# Altium PCB PCB-Relay-Board-V1.PcbDoc (part 2 of 5) (continued)
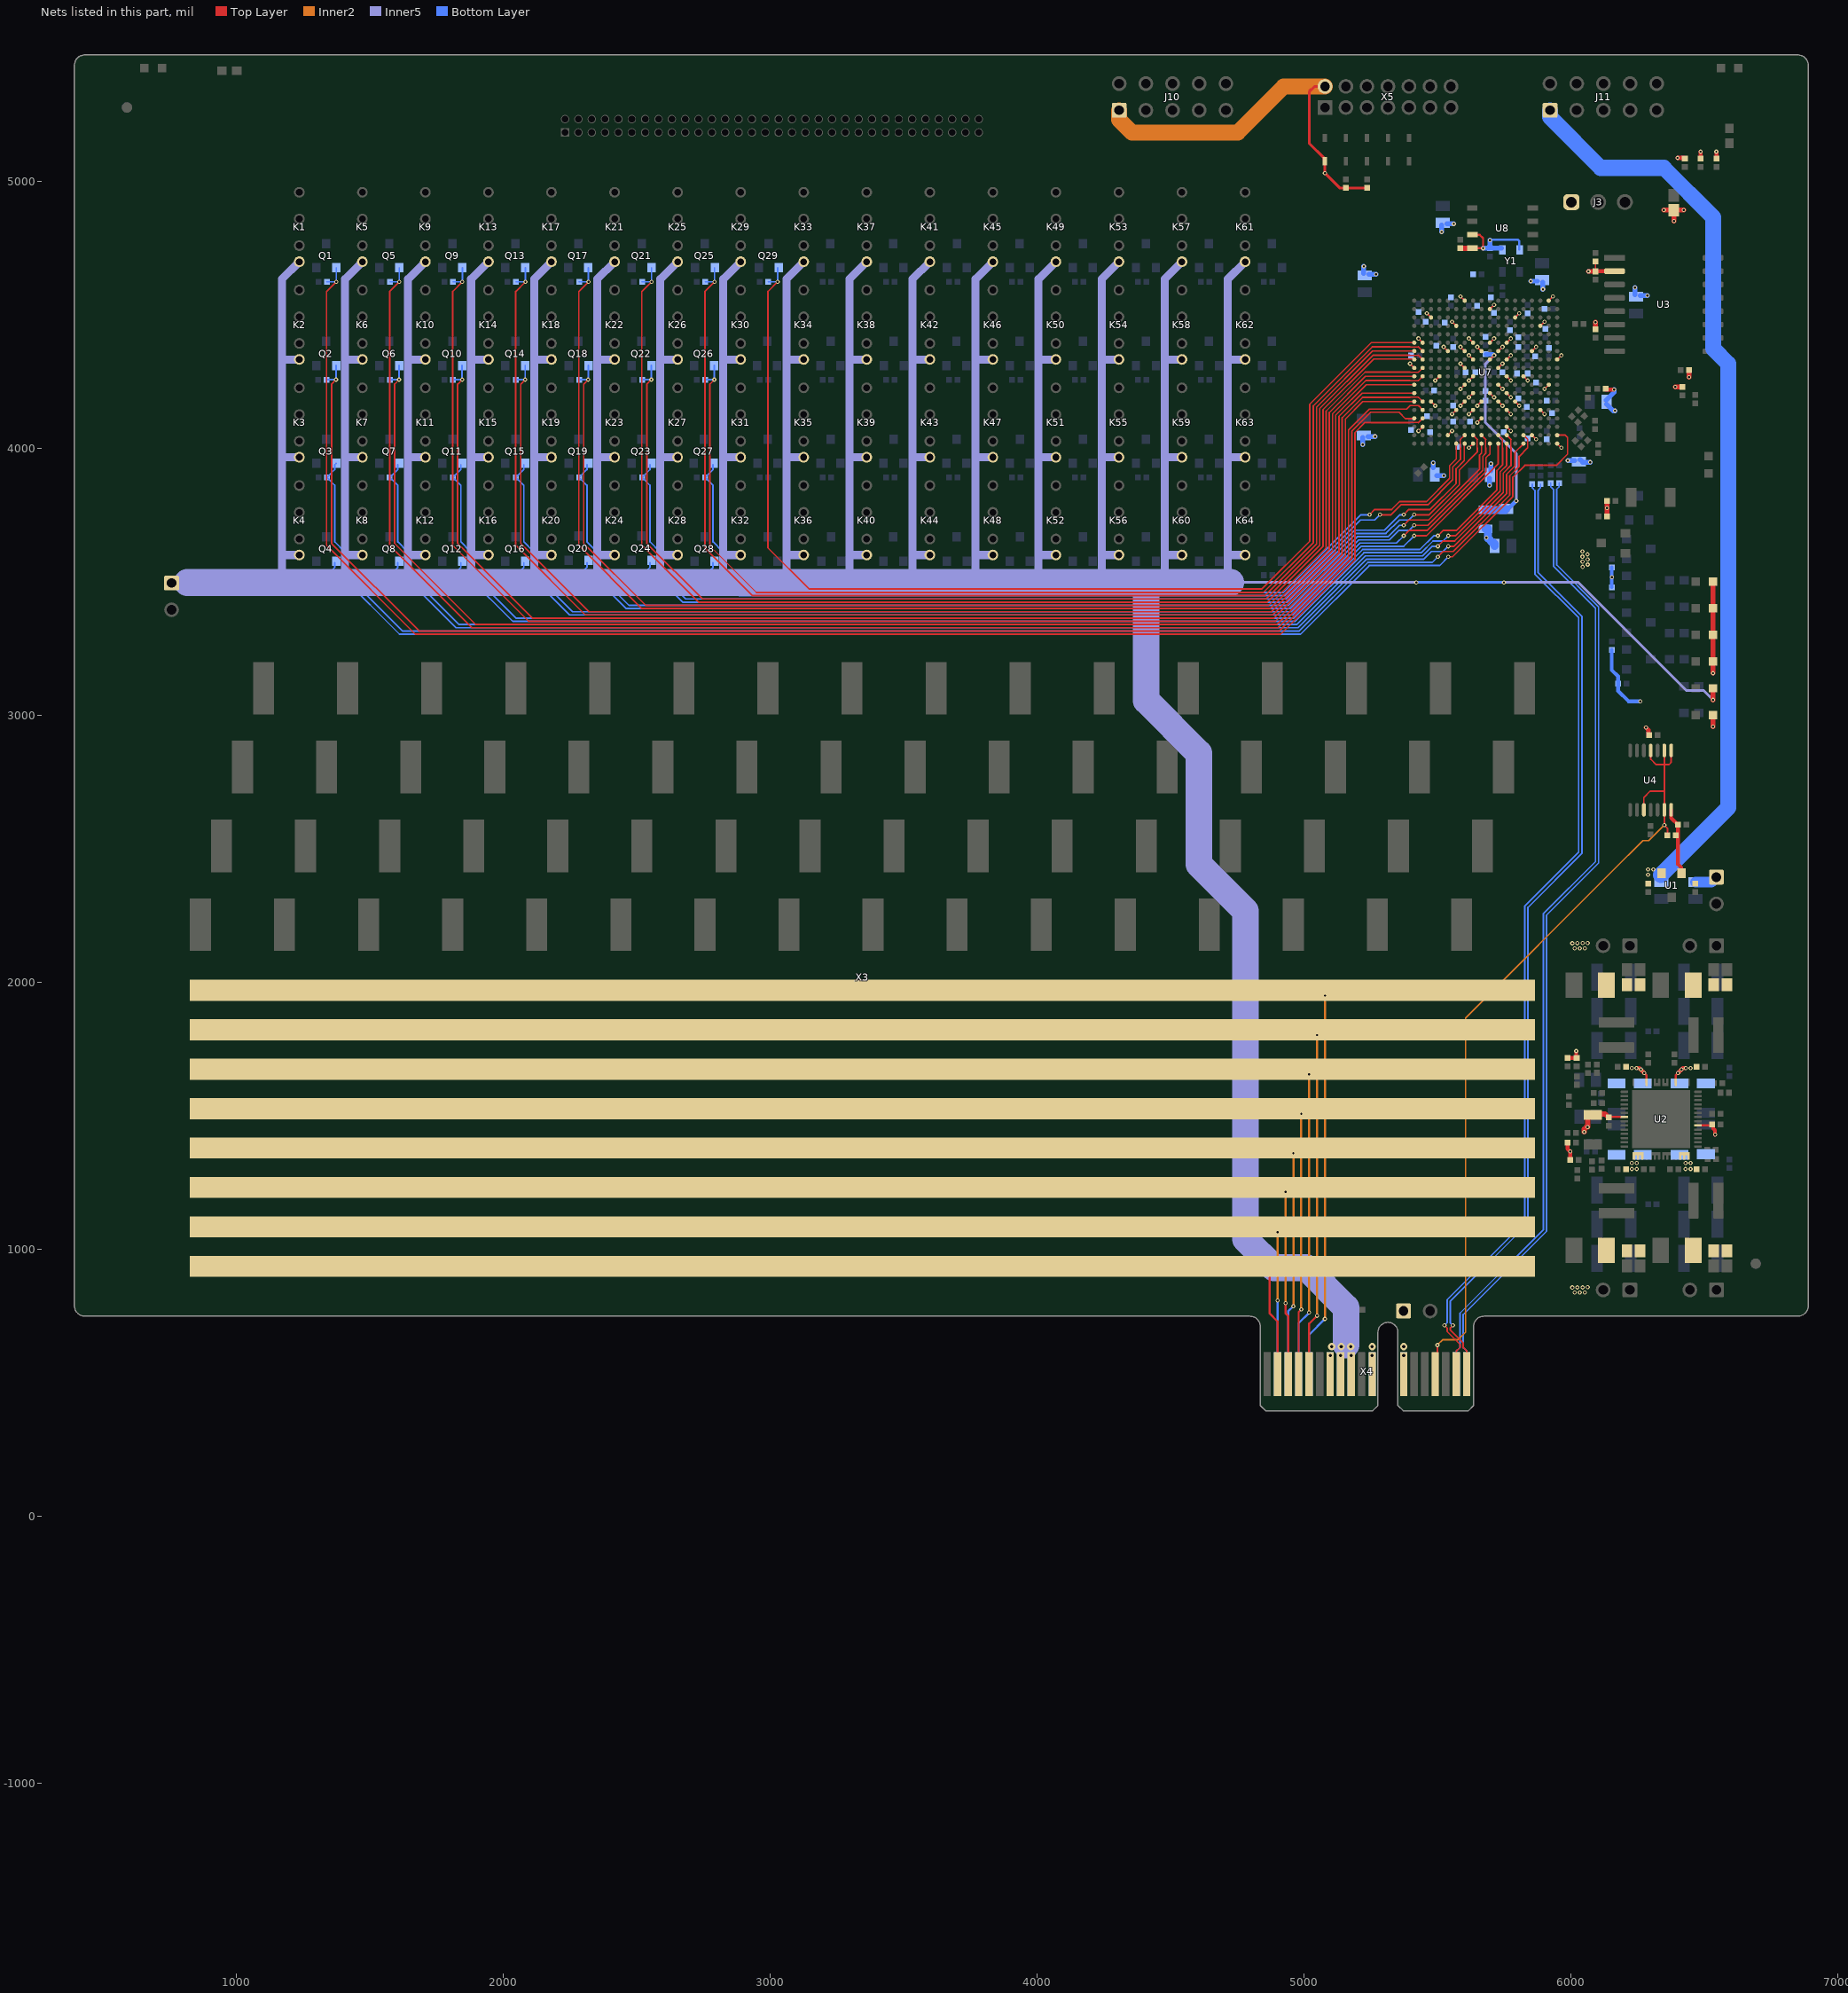
[diagram p8: the nets of this part, all layers, seen from the top]
## Part data (continued)
U4: library part 74LCX125, "IC BUF NON-INVERT 3.6V 14TSSOP", 02. Distributor Part Number=497-13204-2-ND, 04. Manufacturer=STMicroelectronics, 07. Manufacturer  Part Number=74LCX125YTTR, Package=TSSOP14, 01. Distributor=DigiKey, 03. Unit Price=0.51, 11. RoHS=YES, ComponentLink1Description=Info, ComponentLink2Description=DataSheet
U7: library part XC7A15T-CS324, "XC7A15T-1CSG324C", 04. Manufacturer=XILINX, 09. Operating Temperature="0°C ~ 85°C (TJ)", 01. Distributor=Avnet, 02. Distributor Part Number=XC7A15T-1CSG324C, 03. Unit Price=20.65, 07. Manufacturer  Part Number=XC7A15T-1CSG324C, 11. RoHS=YES, ComponentLink4Description=Info, ComponentLink4URL=https://www.digikey.de/products/en?keywords=XC7A15T-1CSG324C, ComponentLink5Description=DataSheet, ComponentLink5URL=https://www.xilinx.com/support/documentation/data_sheets/ds181_Artix_7_Data_Sheet.pdf, ComponentLink6Description=NXP, ComponentLink6URL=https://www.nxp.com/part/MK20DN512VMD10, MFR=XILINX, MFR-PN=XC7A15T-CS324, NicName=XC7A15T, POPULATED=yes
U8: library part MX25R3235FM1IH0, "IC FLASH 32M SPI 80MHZ 8SOP", 02. Distributor Part Number=1092-1175-ND, 04. Manufacturer=Macronix, 01. Distributor=DigiKey, 03. Unit Price=0.79, 07. Manufacturer  Part Number=MX25R3235FM1IH0, 13. Created Date/Name="AUG 2018 / Hören", ComponentLink1Description=Info, ComponentLink1URL=https://www.digikey.de/product-detail/en/macronix/MX25R3235FM1IH0/1092-1175-ND/5957736, ComponentLink2Description=DataSheet, ComponentLink2URL=https://www.macronix.com/Lists/Datasheet/Attachments/7534/MX25R3235F%2c%20Wide%20Range%2c%2032Mb%2c%20v1.6.pdf
X2: library part TFC-132-01-F-D-RA, "CONN HEADER TH RA 48POS 1.27MM", 04. Manufacturer="Samtec Inc.", 01. Distributor="Samtec Inc.", 02. Distributor Part Number=TFC-132-01-F-D-RA, 03. Unit Price=5, 07. Manufacturer  Part Number=TFC-132-01-F-D-RA, 11. RoHS=YES, 13. Created Date/Name="??? / Hören", ComponentLink1Description=Info, ComponentLink1URL=https://www.samtec.com/products/tfc-124-01-f-d-ra, ComponentLink2Description=DataSheet, System=Connector
X3: library part CONFIG64, "PCB Tester Configuration Matrix for 48 Relays over 8 ABUSes", 13. Created Date/Name="??? / Hören", ComponentLink1Description=Info, ComponentLink2Description=DataSheet
X4: library part PCIE-036-02-F-D-Fingers, "CONN PCI Card Edge 36POS", ComponentLink1Description=Info, ComponentLink2Description=DataSheet, ComponentLink2URL=http://suddendocs.samtec.com/catalog_english/pcie.pdf, System=Connector
X5: library part LTMM-107-02-F-D, "CONN HEADER VERT 14POS 2MM", 02. Distributor Part Number=LTMM-107-02-F-D-ND, 04. Manufacturer="Samtec Inc.", 01. Distributor=DigiKey, 03. Unit Price=2.38, 07. Manufacturer  Part Number=LTMM-107-02-F-D, 11. RoHS=YES, 13. Created Date/Name="??? / Hören", ComponentLink1Description=Info, ComponentLink1URL=https://www.digikey.de/product-detail/en/samtec-inc/LTMM-107-02-F-D/LTMM-107-02-F-D-ND/8723899, ComponentLink2Description=DataSheet, ComponentLink2URL=https://www.samtec.com/products/ltmm, NickName=JTAG, System=Connector
Y1: library part ASE-25.000MHZ-LC-T, "XTAL OSC XO 25.0000MHZ CMOS SMD", 02. Distributor Part Number=535-9568-1-ND, 04. Manufacturer="Abracon LLC", Frequency=25MHz, Package=4SMD, 01. Distributor=DigiKey, 03. Unit Price=1.46, 07. Manufacturer  Part Number=ASE-25.000MHZ-LC-T, 11. RoHS=YES, 13. Created Date/Name="AUG 2018 / Hören", ComponentLink1Description=Info, ComponentLink1URL=https://www.digikey.de/products/en?keywords=535-9568-1-ND, ComponentLink2Description=DataSheet

## Via types
v1: diameter 15.75, hole 7.87, Top Layer to Bottom Layer, 631 vias
v2: diameter 27.56, hole 11.81, Top Layer to Bottom Layer, 82 vias

## Nets (pads, with @x,y where several pads share a name; then routed paths per layer and width w, separated by ;. In a path a pad name is that pad's centre, name@x,y a point inside that pad or via, vN(x,y) a via of type N, cw(c..) or ccw(c..) an arc to the next point about the centre after c; other vN are vias at no path point)
1V0: C15.1 C310.1 C311.1 C312.1 C313.1 C314.1 C315.1 C316.1 C317.1 C476.1 C477.1 J1.2 J2.2 U7.F8 U7.F10 U7.G7 U7.G9 U7.G11 U7.H8 U7.J7 U7.J11 U7.K8 U7.L7 U7.L11 U7.M8 U7.M10 U7.N7 U7.N9 U7.N11 | length 452.4
  Top Layer w6: v1(5586.6,4158.3) U7.N7@5602.35,4174.05 ; v1(5586.6,4221.29) U7.L7@5602.35,4237.04 ; v1(5586.6,4315.78) U7.J7@5602.35,4300.03 ; v1(5586.6,4378.77) U7.G7@5602.35,4363.02 ; v1(5618.09,4189.8) U7.M8@5633.84,4205.54 ; v1(5618.09,4252.79) U7.K8@5633.84,4268.54 ; v1(5618.09,4347.28) U7.H8@5633.84,4331.53 ; v1(5618.09,4410.27) U7.F8@5633.84,4394.52 ; v1(5649.59,4158.3) U7.N9@5665.34,4174.05 ; v1(5649.59,4378.77) U7.G9@5665.34,4363.02 ; U7.M10@5696.84,4205.54 v1(5712.58,4189.8) ; U7.F10@5696.84,4394.52 v1(5712.58,4410.27) ; U7.N11@5728.33,4174.05 v1(5744.08,4158.3) ; U7.L11@5728.33,4237.04 v1(5744.08,4221.29) ; U7.J11@5728.33,4300.03 v1(5744.08,4315.78) ; U7.G11@5728.33,4363.02 v1(5744.08,4378.77)
  Bottom Layer w18: C310.1@5484.1,3926.39 v1(5484.1,3944.12) ; C310.1@5498.19,3896.56 v1(5524.31,3896.56) ; v1(5849.64,4624.84) C316.1@5875.77,4624.84 ; v1(5895.46,4594.77) C316.1@5895.46,4620.9
  other v1: 6014.34,2125.77 6033.46,2125.98 6052.59,2126.2 6005.62,2145.03 6024.75,2145.24 6043.87,2145.46 6062.99,2145.67
1V8: C9.1 C27.1 C318.1 C430.1 C431.1 C432.1 C433.1 C434.1 C435.1 J4.2 J5.2 L1.1 U7.F12 U7.H12 U7.K12 U7.M12 | length 243.7
  Top Layer w6: U7.M12@5759.83,4205.54 v1(5775.58,4189.8) ; U7.K12@5759.83,4268.54 v1(5775.58,4252.79) ; U7.H12@5759.83,4331.53 v1(5775.57,4347.28) ; U7.F12@5759.83,4394.52 v1(5775.57,4410.27)
  Bottom Layer w18: v1(5988.73,3952.91) C318.1@6014.86,3952.91 ; C318.1@6034.54,3956.85 6044.54,3946.85 v1(6072.83,3946.85)
  Bottom Layer w30: L1.1@5680.19,3697.52 5689.09,3697.52 5689.84,3696.77 5689.84,3662.19 5707.41,3644.62 5710.96,3644.62 5714.66,3640.92 C9.1@5714.66,3633.04
  other v1: 6043.95,3554.83 6063.21,3563.55 6043.73,3573.96 6062.99,3582.68 6043.52,3593.08 6062.78,3601.8 6043.31,3612.2 5683.55,3663.91
1V8A: C10.1 C471.1 L1.2 U7.H10 | length 791.4
  Top Layer w6: U7.H10@5696.84,4331.53 v1(5712.58,4347.28)
  Inner5 w10: v1(5712.58,4347.28) 5680.46,4315.15 5680.46,4094.76 5795.72,3979.5 v1(5795.72,3801.62)
  Bottom Layer w16: C471.1@5681.09,4351.21 5708.65,4351.21 v1(5712.58,4347.28) ; C10.1@5757.87,3771.65 5765.75,3771.65 v1(5795.72,3801.62)
  Bottom Layer w30: L1.2@5680.19,3768.39 5754.61,3768.39 C10.1@5757.87,3771.65
2V5: C42.1 J6.2 J7.2
3V3: C17.1 C53.1 C54.2 C55.1 C436.1 C437.1 C438.1 C439.1 C440.1 C441.1 C442.1 C443.1 C444.1 C445.1 C446.1 C447.1 C448.1 C449.1 C450.1 C451.1 C452.1 C453.1 C454.1 C455.1 C456.1 C457.1 C458.1 C459.1 C460.1 C461.1 C462.1 C463.1 C464.1 C465.1 C466.1 C467.1 C468.1 C469.1 D10.2 J3.1 J8.2 J9.2 J10.1 R105.2 R106.2 R107.2 R109.2 R111.2 R112.2 R113.2 R114.2 R115.2 R122.2 R128.1 U3.2 U7.A7 U7.A17 U7.B10 U7.C3 U7.C13 U7.D6 U7.D16 U7.F2 U7.G5 U7.G15 U7.H18 U7.J1 U7.K4 U7.K14 U7.L17 U7.N3 U7.N13 U7.P6 U7.P8 U7.P12 U7.P16 U7.R9 U7.T2 U7.T12 U7.U5 U7.U15 U7.V8 U7.V18 U8.7 U8.8 X5.2 Y1.1 Y1.4 | length 3190.8
  Top Layer w6: v1(5397.62,4315.78) U7.J1@5413.37,4300.03 ; v1(5429.12,4063.81) U7.T2@5444.87,4079.56 ; v1(5429.12,4410.27) U7.F2@5444.87,4394.52 ; v1(5460.61,4504.76) U7.C3@5476.36,4489.01 ; U7.N3@5476.36,4174.05 v1(5492.11,4158.3) ; v1(5492.11,4252.79) U7.K4@5507.86,4268.54 ; v1(5523.61,4378.77) U7.G5@5539.35,4363.02 ; U7.U5@5539.35,4048.06 v1(5555.1,4063.81) ; v1(5555.1,4126.8) U7.P6@5570.85,4142.55 ; v1(5555.1,4473.26) U7.D6@5570.85,4457.51 ; v1(5586.6,4567.75) U7.A7@5602.35,4552 ; v1(5618.09,4000.82) U7.V8@5633.84,4016.57 ; v1(5618.09,4126.8) U7.P8@5633.84,4142.55 ; v1(5649.59,4095.31) U7.R9@5665.34,4111.06 ; U7.B10@5696.84,4520.5 v1(5712.58,4536.25) ; U7.T12@5759.83,4079.56 v1(5775.58,4063.81) ; U7.P12@5759.83,4142.55 v1(5775.58,4126.8) ; U7.N13@5791.32,4174.05 v1(5807.07,4158.3) ; U7.C13@5791.32,4489.01 v1(5807.07,4504.76) ; U7.K14@5822.82,4268.54 v1(5838.57,4252.79) ; U7.U15@5854.32,4048.06 v1(5870.06,4032.32) ; U7.G15@5854.32,4363.02 v1(5870.06,4378.77) ; U7.P16@5885.81,4142.55 v1(5901.56,4126.8) ; U7.D16@5885.81,4457.51 v1(5901.56,4473.26) ; v1(5901.56,4221.29) U7.L17@5917.31,4237.04 ; U7.A17@5917.31,4552 v1(5933.06,4567.75) ; U7.V18@5948.8,4016.57 v1(5964.55,4000.82) ; U7.H18@5948.8,4331.53 v1(5964.55,4347.28) ; C55.1@6092.52,4661.42 R113.2@6092.52,4698.82
  Top Layer w8: U8.7@5631.81,4797.92 5659.07,4797.92 5671.39,4785.61 v1(5671.39,4748.18) U8.8@5631.95,4748.18
  Top Layer w10: X5.2@5078.74,5354.33 5039.37,5354.33 5019.69,5334.65 5019.69,5141.73 5075.87,5085.55 5075.87,5077.68 D10.2@5078.74,5074.8 v1(5078.74,5029.53) 5133.86,4974.41 R111.2@5157.48,4974.41 R112.2@5236.22,4974.41
  Top Layer w15: C55.1@6092.52,4661.42 6093.5,4662.4 U3.2@6163.98,4662.4 ; R109.2@6129.99,4221.29 6132.21,4219.08 v1(6161.92,4219.08)
  Top Layer w16: v1(6281.5,2952.76) 6290.48,2943.77 6290.48,2926.06 R122.2@6291.34,2925.2
  Top Layer w18: v1(6066.39,4661.42) C55.1@6092.52,4661.42 ; R115.2@6092.52,4444.88 v1(6092.52,4471.01) ; R128.1@6135.83,3744.09 v1(6135.83,3775.06) R107.2@6135.83,3801.18 ; v1(6391.2,4228.35) R106.2@6417.32,4228.35 ; v1(6442.91,4265.21) R114.2@6442.91,4291.34
  Top Layer w20: C54.2@5586.5,4748.56 U8.8@5630.98,4748.56
  Inner2 w60: J10.1@4307.87,5264.96 4307.87,5229.53 4355.62,5181.78 4752.05,5181.78 4924.6,5354.33 X5.2@5078.74,5354.33
  Bottom Layer w8: v1@5698.82,4779.55 5802.19,4779.55 5806.87,4774.86 Y1.1@5806.87,4744.13
  Bottom Layer w18: v1(5220.63,4013.15) C456.1@5220.63,4039.28 ; C463.1@5224.39,4654.36 v1(5224.39,4680.49) ; C456.1@5240.31,4043.21 v1(5266.44,4043.21) ; C463.1@5244.08,4650.43 v1(5270.2,4650.43) ; v1(5515.73,4809.34) C451.1@5515.73,4835.47 ; C451.1@5535.42,4839.4 v1(5561.54,4839.4) ; v1(5671.39,4748.18) C17.1@5697.51,4748.18 Y1.4@5739.98,4748.18 ; v1(5695.61,3860.15) C436.1@5695.61,3886.3 ; C17.1@5697.51,4752.11 v1(5697.51,4778.24) ; C436.1@5700.94,3915.26 v1(5700.94,3941.39) ; C437.1@6132.7,4179.01 6161.92,4208.22 v1(6161.92,4219.08) ; C437.1@6133.84,4164.4 6158.55,4139.69 v1(6165.87,4139.69) ; C444.1@6240.57,4574.64 v1(6240.57,4600.76) ; C444.1@6260.26,4570.7 v1(6286.38,4570.7)
  other v1: 6014.34,836.4 6033.46,836.61 6052.59,836.83 6005.62,855.66 6024.75,855.87 6043.87,856.09 6062.99,856.3
3V3IO: C3.1 C4.1 C32.1 C56.2 D1.1 D2.1 D3.1 D4.1 D13.1 J12.1 R45.2 R46.2 R73.2 R74.2 R77.2 R78.2 R79.2 R81.2 R82.2 R88.2 R89.2 R121.2 TP7.1 U1.1 U2.20 U4.14 | length 1403.9
  Top Layer w8.66: U2.20@6476.38,1462.6 6526.87,1462.6 C32.1@6530.17,1465.89
  Top Layer w13.78: v1(6020.11,1741.41) 6020.11,1717.51 R46.2@6021.89,1715.73 ; U4.14@6375.98,2644.69 6375.98,2614.17 C56.2@6401.57,2588.58 6401.57,2440.76 6413.68,2428.65 6413.68,2426.64 ; C32.1@6529.53,1466.54 6530.17,1465.89 6533.46,1462.6 6533.46,1451.09 6539.82,1444.73 6539.82,1430.38 6540.28,1429.92 6540.28,1428.53 v1(6540.66,1428.15)
  Top Layer w15: R74.2@5987.74,1715.73 R46.2@6018.16,1715.73 ; R82.2@5987.89,1398.74 5987.89,1374.32 v1(5997.48,1364.72) R89.2@5997.48,1333.34 ; v1(6399.64,5086.7) R77.2@6424.77,5086.7 ; R78.2@6486.22,5084.65 v1(6486.22,5109.78) ; R79.2@6545.28,5084.65 v1(6545.28,5109.78)
  Top Layer w18: v1(6348.84,4891.75) J12.1@6373.97,4891.75 ; v1(6386.51,4850.29) J12.1@6386.51,4875.42 ; J12.1@6397.65,4891.75 v1(6422.78,4891.75) ; v1(6532.48,2956.48) 6532.48,2984.25 ; v1(6532.48,3156.48) D1.1@6532.48,3200 D2.1@6532.48,3300 D3.1@6532.48,3400 D4.1@6532.48,3500
  Bottom Layer w13.78: R73.2@6153.54,3244.25 6153.54,3168.65 6177.17,3145.03 6177.17,3090.33 6216.31,3051.18 v1(6259.84,3051.18) ; R81.2@6153.54,3478.35 v1(6153.54,3515.75) R88.2@6153.54,3553.15
  Bottom Layer w40: C4.1@6466.54,2374.02 6526.77,2374.02 TP7.1@6545.28,2392.52
5V0R: D12.1 K1.1 K2.1 K3.1 K4.1 K5.1 K6.1 K7.1 K8.1 K9.1 K10.1 K11.1 K12.1 K13.1 K14.1 K15.1 K16.1 K17.1 K18.1 K19.1 K20.1 K21.1 K22.1 K23.1 K24.1 K25.1 K26.1 K27.1 K28.1 K29.1 K30.1 K31.1 K32.1 K33.1 K34.1 K35.1 K36.1 K37.1 K38.1 K39.1 K40.1 K41.1 K42.1 K43.1 K44.1 K45.1 K46.1 K47.1 K48.1 K49.1 K50.1 K51.1 K52.1 K53.1 K54.1 K55.1 K56.1 K57.1 K58.1 K59.1 K60.1 K61.1 K62.1 K63.1 K64.1 TP5.1 X4.A7 X4.A8 X4.A9 X4.B7 X4.B8 X4.B9 | length 31157.9
  Top Layer w18: v1(6532.48,3056.48) 6532.48,3084.25
  Inner5 w10: 4725.77,3496.25 v1(5420.94,3496.25) ; v1(5749.6,3496.25) 6028.38,3496.25 6432.45,3092.19 6496.77,3092.19 v1(6532.48,3056.48)
  Inner5 w30: 1171.26,3543.31 1171.26,3599.84 ; 1171.89,3965.43 K3.1@1236.28,3965.43 ; 1171.89,4331.65 K2.1@1236.28,4331.65 ; K4.1@1236.28,3599.21 1171.89,3599.21 1171.26,3599.84 ; K1.1@1236.28,4697.87 1171.26,4632.85 1171.26,4331.65 1171.26,3965.43 1171.26,3599.84 ; 1407.48,3543.31 1407.48,3599.21 1407.48,3965.43 1407.48,4331.65 1407.48,4632.85 K5.1@1472.5,4697.87 ; 1408.11,3599.21 K8.1@1472.5,3599.21 ; 1408.11,3965.43 K7.1@1472.5,3965.43 ; 1408.11,4331.65 K6.1@1472.5,4331.65 ; 1643.7,3543.31 1643.7,3599.21 1643.7,3965.43 1643.7,4331.65 1643.7,4632.85 K9.1@1708.72,4697.87 ; 1644.33,3599.21 K12.1@1708.72,3599.21 ; 1644.33,3965.43 K11.1@1708.72,3965.43 ; 1644.33,4331.65 K10.1@1708.72,4331.65 ; 1879.92,3543.31 1879.92,3599.21 1879.92,3965.43 1879.92,4331.65 1879.92,4632.85 K13.1@1944.94,4697.87 ; 1880.55,3599.21 K16.1@1944.94,3599.21 ; 1880.55,3965.43 K15.1@1944.94,3965.43 ; 1880.55,4331.65 K14.1@1944.94,4331.65 ; 2116.14,3543.31 2116.14,3599.21 2116.14,3965.43 2116.14,4331.65 2116.14,4632.85 K17.1@2181.17,4697.87 ; 2116.77,3599.21 K20.1@2181.17,3599.21 ; 2116.77,3965.43 K19.1@2181.17,3965.43 ; 2116.77,4331.65 K18.1@2181.17,4331.65 ; 2352.36,3543.31 2352.36,3599.21 2352.36,3965.43 2352.36,4331.65 2352.36,4632.85 K21.1@2417.39,4697.87 ; 2352.99,3599.21 K24.1@2417.39,3599.21 ; 2352.99,3965.43 K23.1@2417.39,3965.43 ; 2352.99,4331.65 K22.1@2417.39,4331.65 ; 2588.58,3543.31 2588.58,3599.21 2588.58,3965.43 2588.58,4331.65 2588.58,4632.85 K25.1@2653.61,4697.87 ; 2589.21,3599.21 K28.1@2653.61,3599.21 ; 2589.21,3965.43 K27.1@2653.61,3965.43 ; 2589.21,4331.65 K26.1@2653.61,4331.65 ; 2824.8,3543.31 2824.8,3599.21 2824.8,3965.43 2824.8,4331.65 2824.8,4632.85 K29.1@2889.83,4697.87 ; 2825.43,3599.21 K32.1@2889.83,3599.21 ; 2825.43,3965.43 K31.1@2889.83,3965.43 ; 2825.43,4331.65 K30.1@2889.83,4331.65 ; 3061.02,3543.31 3061.02,3599.21 3061.02,3965.43 3061.02,4331.65 3061.02,4632.85 K33.1@3126.05,4697.87 ; 3061.65,3599.21 K36.1@3126.05,3599.21 ; 3061.65,3965.43 K35.1@3126.05,3965.43 ; 3061.65,4331.65 K34.1@3126.05,4331.65 ; 3297.24,3543.31 3297.24,3599.21 3297.24,3965.43 3297.24,4331.65 3297.24,4632.85 K37.1@3362.27,4697.87 ; 3297.87,3599.21 K40.1@3362.27,3599.21 ; 3297.87,3965.43 K39.1@3362.27,3965.43 ; 3297.87,4331.65 K38.1@3362.27,4331.65 ; 3533.46,3543.31 3533.46,3599.21 3533.46,3965.43 3533.46,4331.65 3533.46,4632.85 K41.1@3598.49,4697.87 ; 3534.09,3599.21 K44.1@3598.49,3599.21 ; 3534.09,3965.43 K43.1@3598.49,3965.43 ; 3534.09,4331.65 K42.1@3598.49,4331.65 ; 3769.68,3543.31 3769.68,3599.21 3769.68,3965.43 3769.68,4331.65 3769.68,4632.85 K45.1@3834.71,4697.87 ; 3770.31,3599.21 K48.1@3834.71,3599.21 ; 3770.31,3965.43 K47.1@3834.71,3965.43 ; 3770.31,4331.65 K46.1@3834.71,4331.65 ; 4005.91,3543.31 4005.91,3599.21 4005.91,3965.43 4005.91,4331.65 4005.91,4632.85 K49.1@4070.93,4697.87 ; 4006.53,3599.21 K52.1@4070.93,3599.21 ; 4006.53,3965.43 K51.1@4070.93,3965.43 ; 4006.53,4331.65 K50.1@4070.93,4331.65 ; 4242.13,3543.31 4242.13,3599.21 4242.13,3965.43 4242.13,4331.65 4242.13,4632.85 K53.1@4307.15,4697.87 ; 4242.75,3599.21 K56.1@4307.15,3599.21 ; 4242.75,3965.43 K55.1@4307.15,3965.43 ; 4242.75,4331.65 K54.1@4307.15,4331.65 ; 4478.35,3543.31 4478.35,3599.21 4478.35,3965.43 4478.35,4331.65 4478.35,4632.85 K57.1@4543.37,4697.87 ; 4478.97,3599.21 K60.1@4543.37,3599.21 ; 4478.97,3965.43 K59.1@4543.37,3965.43 ; 4478.97,4331.65 K58.1@4543.37,4331.65 ; 4714.57,3543.31 4714.57,3599.21 4714.57,3965.43 4714.57,4331.65 4714.57,4632.85 K61.1@4779.59,4697.87 ; 4715.19,3599.21 K64.1@4779.59,3599.21 ; 4715.19,3965.43 K63.1@4779.59,3965.43 ; 4715.19,4331.65 K62.1@4779.59,4331.65
  Inner5 w100: 816.93,3496.25 1171.26,3496.25 1407.48,3496.25 1643.7,3496.25 1879.92,3496.25 2116.14,3496.25 2352.36,3496.25 2588.58,3496.25 2824.8,3496.25 3061.02,3496.25 3297.24,3496.25 3533.46,3496.25 3769.68,3496.25 4005.91,3496.25 4242.13,3496.25 4409.45,3496.25 ; 4725.77,3496.25 4478.35,3496.25 4409.45,3496.25 ; 5157.48,640.63 5157.48,780.97 5008.75,929.69 4887.67,929.69 4780.45,1036.92 4780.45,2266.8 4606.3,2440.94 4606.3,2857.15 4409.45,3054 4409.45,3496.25
  Bottom Layer w10: v1(5420.94,3496.25) v1(5749.6,3496.25)
  other v2: 5098.43,600.3 5137.8,600.3 5177.17,600.3 5104.33,633.86 5139.76,633.86 5175.2,633.86
12V0: C1.1 C2.1 C6.1 C7.1 C8.1 C16.1 C18.1 C20.1 C21.1 C22.1 C35.1 C36.1 C37.1 C44.1 C45.1 C46.1 J11.1 TP6.1 U1.2 U2.1 U2.12 U2.32 U2.39 U2.49 X4.A11 X4.A12 X4.B11 X4.B12 | length 3735.7
  Top Layer w8.66: C18.1@6141.73,1492.13 6143.7,1494.09 U2.49@6200.79,1494.09 ; v1(6275.29,1659.26) 6283.46,1651.09 U2.39@6283.46,1624.02 ; U2.32@6393.7,1624.02 6393.7,1651.09 v1(6401.88,1659.26)
  Top Layer w15: v1@6251.97,1677.58 6256.97,1677.58 ; 6420.19,1677.58 v1@6425.19,1677.58
  Top Layer w16: 6256.97,1677.58 6262.54,1672.01 v1(6275.29,1659.26) ; v1(6401.88,1659.26) 6414.63,1672.01 6420.19,1677.58
  Top Layer w19.68: v1(6049.98,1438.19) 6049.98,1448.46 6058.21,1456.69 v1(6062.99,1456.69) 6062.99,1493.11 6071.85,1501.97 C16.1@6082.68,1501.97 6086.61,1505.91 6127.95,1505.91 C18.1@6141.73,1492.13
  Bottom Layer w60: J11.1@5922.05,5264.96 5922.05,5239.37 6112.2,5049.21 6348.19,5049.21 6532.87,4864.53 6532.87,4372.64 6590.33,4315.18 6590.33,2653.7 6337.46,2400.83
  other v1: 6228.35,1299.21 6247.31,1299.21 6429.85,1299.21 6448.82,1299.21 6228.35,1321.48 6247.05,1321.48 6430.12,1321.48 6448.82,1321.48 6262.8,1672.27 6414.37,1672.27 6228.31,1677.24 6246.31,1677.24 6430.85,1677.24 6448.85,1677.24 6289.37,2401.57 6289.37,2421.26 6309.06,2421.26
  other v2: 5255.91,600.3 5374.02,600.3 5255.91,633.86 5374.02,633.86
\CS_1: R121.1 U4.1 U4.2 U4.4 U4.10 U4.13 X4.B15 | length 3079.8
  Top Layer w6: X4.B15@5492.13,531.5 5500.15,539.52 v1(5500.15,640.01) ; U4.10@6273.62,2644.69 6273.62,2690.94 6297.22,2714.54 6350.39,2714.54 ; U4.4@6299.21,2867.13 6299.21,2834.65 6319.74,2814.12 6350.39,2814.12 ; U4.2@6350.39,2867.13 6350.39,2814.12 ; R121.1@6362.2,2549.21 6362.2,2576.03 v1(6350.39,2587.84) U4.13@6350.39,2644.69 6350.39,2714.54 ; U4.1@6375.98,2867.13 6375.98,2822.83 6367.27,2814.12 6350.39,2814.12 ; 6350.39,2714.54 6350.39,2814.12
  Inner2 w6: v1(5500.15,640.01) 5520.39,660.25 5577.75,660.25 5605.71,688.21 5605.71,1865.55 6156.5,2416.34 6269.68,2529.53 6292.08,2529.53 v1(6350.39,2587.84)
A0_1: R120.2 X4.B18 | length 3642.4
  Top Layer w6: v1(5558.06,713.58) 5548.82,704.33 5548.82,695.75 5597.05,647.51 5597.05,630.36 5610.24,617.17 X4.B18@5610.24,531.5
  Bottom Layer w6: v1(5558.06,713.58) 5548.82,722.82 5548.82,804.68 5839.26,1095.12 5839.26,2278.94 6041.45,2481.13 6041.45,3369.36 5877.53,3533.28 5877.53,3841.92 5886.78,3851.17 R120.2@5886.78,3864.99
A1_1: R118.2 X4.A18 | length 3621.8
  Bottom Layer w6: X4.A18@5610.24,531.5 5610.24,617.17 5596.97,630.44 5596.97,754.45 5908.83,1066.31 5908.83,2250.12 6104.14,2445.44 6104.14,3405.06 5947.1,3562.09 5947.1,3845.74 5956.35,3854.99 R118.2@5956.35,3868.82
A2_1: R119.2 X4.B17 | length 3644
  Top Layer w6: v1(5526.57,713.58) 5536.82,703.33 5536.82,690.78 5585.05,642.54 5585.05,631.36 5570.87,617.17 X4.B17@5570.87,531.5
  Bottom Layer w6: v1(5526.57,713.58) 5536.82,723.82 5536.82,809.65 5827.26,1100.09 5827.26,2283.91 6029.45,2486.1 6029.45,3364.39 5865.53,3528.31 5865.53,3840.92 5855.29,3851.17 R119.2@5855.29,3864.99
A3_1: R117.2 X4.A17 | length 3622.5
  Bottom Layer w6: X4.A17@5570.87,531.5 5570.87,617.17 5584.97,631.28 5584.97,759.42 5896.83,1071.28 5896.83,2255.1 6092.14,2450.41 6092.14,3400.08 5935.1,3557.12 5935.1,3844.74 5924.85,3854.99 R117.2@5924.85,3868.82
ABUS0: X3.ABUS0 X4.A5 | length 1441.8
  Inner2 w8: v1(5078.74,737.97) v1(5078.74,1948.82)
  Bottom Layer w8: X4.A5@5019.69,531.5 5019.69,678.92 v1(5078.74,737.97)
ABUS1: X3.ABUS1 X4.B5 | length 1281.9
  Top Layer w8: X4.B5@5019.69,531.5 5019.69,720.3 v1(5049.21,749.83)
  Inner2 w8: v1(5049.21,749.83) v1(5049.21,1801.18)
ABUS2: X3.ABUS2 X4.A4 | length 1138.4
  Inner2 w8: v1(5019.69,761.68) v1(5019.69,1653.54)
  Bottom Layer w8: X4.A4@4980.31,531.5 4980.31,722.31 v1(5019.69,761.68)
ABUS3: X3.ABUS3 X4.B4 | length 978.5
  Top Layer w8: X4.B4@4980.31,531.5 4980.31,763.69 v1(4990.16,773.54)
  Inner2 w8: v1(4990.16,773.54) v1(4990.16,1505.91)
ABUS4: X3.ABUS4 X4.A3 | length 834.9
  Inner2 w8: v1(4960.63,785.39) v1(4960.63,1358.27)
  Bottom Layer w8: X4.A3@4940.94,531.5 4940.94,765.7 v1(4960.63,785.39)
ABUS5: X3.ABUS5 X4.B3 | length 686.4
  Top Layer w8: v1(4931.1,797.24) 4931.1,759.38 4940.94,749.54 X4.B3@4940.94,531.5
  Inner2 w8: v1(4931.1,797.24) v1(4931.1,1213.78)
ABUS6: X3.ABUS6 X4.A2 | length 531.5
  Inner2 w8: v1(4901.57,807.09) v1(4901.57,1062.99)
  Bottom Layer w8: X4.A2@4901.57,531.5 v1(4901.57,807.09)
ABUS7: X3.ABUS7 X4.B2 | length 1961
  Top Layer w8: X3.ABUS7@3346.46,935.04 X3.ABUS7@4901.57,935.04 ; X3.ABUS7@4872.05,925.2 4872.05,757.87 4901.57,728.35 X4.B2@4901.57,531.5
DRV1: Q1.1 R1.2 U7.R2 | length 5947.6
  Top Layer w5: 5397.62,4095.31 5429.12,4095.31
  Top Layer w6: v1(1374.65,4622.28) 1338.58,4586.21 1338.58,3635.22 1671.05,3302.75 4913,3302.75 5191.34,3581.09 5191.34,4057.31 5229.33,4095.31 5397.62,4095.31 ; 5429.12,4095.31 U7.R2@5444.87,4111.06
  Bottom Layer w6: R1.2@1339.57,4622.28 v1(1374.65,4622.28) Q1.1@1374.65,4675.05
DRV2: Q2.1 R2.2 U7.R1 | length 5529.2
  Top Layer w6: v1(1373.91,4256.06) 1357.11,4239.27 1357.11,3642.89 1685.25,3314.75 4908.02,3314.75 5179.34,3586.06 5179.34,4062.28 5250.91,4133.86 5356.25,4133.86 5380.64,4109.47 5411.79,4109.47 U7.R1@5413.37,4111.06
  Bottom Layer w6: R2.2@1338.82,4256.06 v1(1373.91,4256.06) Q2.1@1373.91,4308.83
DRV3: Q3.1 R3.2 U7.U14 | length 5377.5
  Top Layer w5: 5838.57,4000.82 5838.57,4032.32
  Top Layer w6: v1(5501.97,3592.52) 5521.65,3612.2 5559.44,3612.2 5771.09,3823.86 5771.09,3895.75 5806.05,3930.71 5806.05,3968.3 5838.57,4000.82 ; U7.U14@5822.82,4048.06 5838.57,4032.32
  Bottom Layer w6: Q3.1@1374.65,3942.61 1369.13,3937.09 1369.13,3919.41 R3.2@1339.57,3889.84 1369.05,3860.36 1369.05,3648.5 1404.68,3612.87 1404.68,3533.04 1622.97,3314.75 4982.6,3314.75 5239.74,3571.89 5481.34,3571.89 v1(5501.97,3592.52)
DRV4: Q4.1 R4.2 U7.U18 | length 5226
  Top Layer w6: v1(5541.34,3592.52) 5556.72,3592.52 5783.09,3818.89 5783.09,3890.78 5827.7,3935.39 5946.41,3935.39 5988.04,3977.02 5988.04,4039.32 5979.3,4048.06 U7.U18@5948.8,4048.06
  Bottom Layer w6: Q4.1@1369.13,3570.87 1369.13,3553.19 R4.2@1339.57,3523.62 1343.4,3519.79 1394.7,3519.79 1611.74,3302.75 4987.58,3302.75 5244.71,3559.89 5508.71,3559.89 v1(5541.34,3592.52)
DRV5: Q5.1 R5.2 U7.P2 | length 5717.6
  Top Layer w5: 5397.62,4158.3 5429.12,4158.3
  Top Layer w6: v1(1610.87,4622.28) 1574.8,4586.21 1574.8,3635.22 1883.27,3326.75 4903.05,3326.75 5167.34,3591.03 5167.34,4067.25 5245.94,4145.86 5385.18,4145.86 5397.62,4158.3 ; 5429.12,4158.3 U7.P2@5444.87,4142.55
  Bottom Layer w6: R5.2@1575.79,4622.28 v1(1610.87,4622.28) Q5.1@1610.87,4675.05
DRV6: Q6.1 R6.2 U7.N1 | length 5300.1
  Top Layer w6: v1(1610.13,4256.06) 1593.33,4239.27 1593.33,3642.89 1897.47,3338.75 4898.08,3338.75 5155.34,3596.01 5155.34,4108.38 5221.01,4174.05 U7.N1@5413.37,4174.05
  Bottom Layer w6: R6.2@1575.04,4256.06 R6.2@1575.79,4256.06 v1(1610.13,4256.06) Q6.1@1610.13,4308.83
DRV7: Q7.1 R7.2 U7.U12 | length 5067.6
  Top Layer w5: 5775.58,4000.82 5775.58,4032.32
  Top Layer w6: v1(5501.97,3631.89) 5521.65,3651.57 5564.87,3651.57 5747.09,3833.8 5747.09,3905.7 5775.58,3934.18 5775.58,4000.82 ; U7.U12@5759.83,4048.06 5775.58,4032.32
  Bottom Layer w6: Q7.1@1605.35,3937.09 1605.35,3919.41 1575.79,3889.84 1605.27,3860.36 1605.27,3648.5 1640.9,3612.87 1640.9,3533.04 1835.19,3338.75 4972.66,3338.75 5229.8,3595.89 5444.91,3595.89 5480.91,3631.89 v1(5501.97,3631.89)
DRV8: Q8.1 R8.2 U7.V14 | length 4741
  Top Layer w6: v1(5541.34,3631.89) 5562.15,3631.89 5759.09,3828.83 5759.09,3900.73 5790.96,3932.59 5790.96,3984.7 U7.V14@5822.82,4016.57
  Bottom Layer w6: R8.2@1575.79,3523.62 1605.35,3553.19 Q8.1@1605.35,3570.87 ; R8.2@1579.62,3519.79 1630.92,3519.79 1823.96,3326.75 4977.63,3326.75 5234.77,3583.89 5449.88,3583.89 5478.19,3612.2 5521.65,3612.2 v1(5541.34,3631.89)
DRV9: Q9.1 R9.2 U7.N2 | length 5495.7
  Top Layer w5: 5397.62,4189.8 5429.12,4189.8
  Top Layer w6: v1(1847.09,4622.28) 1811.02,4586.21 1811.02,3635.22 2095.49,3350.75 4893.11,3350.75 5143.34,3600.98 5143.34,4113.35 5219.79,4189.8 5397.62,4189.8 ; 5429.12,4189.8 U7.N2@5444.87,4174.05
  Bottom Layer w6: R9.2@1812.01,4622.28 v1(1847.09,4622.28) Q9.1@1847.09,4675.05
DRV10: Q10.1 R10.2 U7.M1 | length 5057.1
  Top Layer w6: v1(1846.35,4256.06) 1829.55,4239.27 1829.55,3642.89 2109.69,3362.75 4888.14,3362.75 5131.34,3605.95 5131.34,4118.32 5218.56,4205.54 U7.M1@5413.37,4205.54
  Bottom Layer w6: R10.2@1811.26,4256.06 v1(1846.35,4256.06) Q10.1@1846.35,4308.83
DRV11: Q11.1 R11.2 U7.U11 | length 4778.5
  Top Layer w5: 5744.08,4000.82 5744.08,4032.32
  Top Layer w6: v1(5501.97,3671.26) 5521.65,3690.94 5570.3,3690.94 5723.09,3843.74 5723.09,3915.64 5744.08,3936.62 5744.08,4000.82 ; U7.U11@5728.33,4048.06 5744.08,4032.32
  Bottom Layer w6: Q11.1@1841.57,3937.09 1841.57,3919.41 R11.2@1812.01,3889.84 1841.49,3860.36 1841.49,3648.5 1877.12,3612.87 1877.12,3533.04 2047.41,3362.75 4962.72,3362.75 5219.86,3619.89 5434.97,3619.89 5486.34,3671.26 v1(5501.97,3671.26)
DRV12: Q12.1 R12.2 U7.V12 | length 4439
  Top Layer w6: v1(5541.34,3671.26) 5567.58,3671.26 5735.09,3838.77 5735.09,3910.67 5759.83,3935.4 U7.V12@5759.83,4016.57
  Bottom Layer w6: R12.2@1812.01,3523.62 1841.57,3553.19 Q12.1@1841.57,3570.87 ; R12.2@1815.84,3519.79 1867.15,3519.79 2036.18,3350.75 4967.69,3350.75 5224.83,3607.89 5439.94,3607.89 5483.62,3651.57 5521.65,3651.57 v1(5541.34,3671.26)
DRV13: Q13.1 R13.2 U7.L1 | length 5221.2
  Top Layer w6: v1(2083.31,4622.28) 2047.24,4586.21 2047.24,3635.22 2307.71,3374.75 4883.17,3374.75 5119.34,3610.92 5119.34,4123.29 5233.09,4237.04 U7.L1@5413.37,4237.04
  Bottom Layer w6: R13.2@2048.23,4622.28 v1(2083.31,4622.28) Q13.1@2083.32,4675.05
DRV14: Q14.1 R14.2 U7.K2 | length 4858.6
  Top Layer w5: 5397.62,4252.79 5429.12,4252.79
  Top Layer w6: v1(2082.57,4256.06) 2065.77,4239.27 2065.77,3642.89 2321.91,3386.75 4878.2,3386.75 5107.34,3615.89 5107.34,4128.26 5231.87,4252.79 5397.62,4252.79 ; 5429.12,4252.79 U7.K2@5444.87,4268.54
  Bottom Layer w6: R14.2@2047.48,4256.06 R14.2@2048.23,4256.06 v1(2082.57,4256.06) Q14.1@2082.57,4308.83
DRV15: Q15.1 R15.2 U7.V10 | length 4401.2
  Top Layer w6: v1(5374.02,3671.26) 5393.7,3690.95 5461.58,3690.95 5682.4,3911.76 5682.4,3963.75 5696.84,3978.19 U7.V10@5696.84,4016.57
  Bottom Layer w6: Q15.1@2077.79,3937.09 2077.79,3919.41 R15.2@2048.23,3889.84 2077.71,3860.36 2077.71,3648.5 2113.34,3612.87 2113.34,3533.04 2259.63,3386.75 4952.78,3386.75 5209.92,3643.89 5346.65,3643.89 v1(5374.02,3671.26)
DRV16: Q16.1 R16.2 U7.V11 | length 4106.1
  Top Layer w6: v1(5413.39,3671.26) 5458.87,3671.26 5728.33,3940.72 U7.V11@5728.33,4016.57
  Bottom Layer w6: R16.2@2048.23,3523.62 2077.79,3553.19 Q16.1@2077.79,3570.87 ; R16.2@2052.06,3519.79 2103.37,3519.79 2248.4,3374.75 4957.75,3374.75 5214.89,3631.89 5374.02,3631.89 v1(5413.39,3671.26)
DRV17: Q17.1 R17.2 U7.K1 | length 4978.1
  Top Layer w6: v1(2319.54,4622.28) 2283.46,4586.21 2283.46,3635.22 2519.93,3398.75 4873.23,3398.75 5095.34,3620.86 5095.34,4133.23 5230.65,4268.54 U7.K1@5413.37,4268.54
  Bottom Layer w6: R17.2@2284.45,4622.28 v1(2319.54,4622.28) Q17.1@2319.54,4675.05
DRV18: Q18.1 R18.2 U7.J2 | length 4615.5
  Top Layer w5: 5397.62,4284.28 5429.12,4284.28
  Top Layer w6: v1(2318.79,4256.06) 2301.99,4239.27 2301.99,3642.89 2534.13,3410.75 4868.26,3410.75 5083.34,3625.83 5083.34,4138.2 5229.42,4284.28 5397.62,4284.28 ; 5429.12,4284.28 U7.J2@5444.87,4300.03
  Bottom Layer w6: R18.2@2283.7,4256.06 R18.2@2284.45,4256.06 v1(2318.79,4256.06) Q18.1@2318.79,4308.83
DRV19: Q19.1 R19.2 U7.V9 | length 4112.1
  Top Layer w6: v1(5374.02,3710.63) 5393.7,3730.32 5467.01,3730.32 5658.4,3921.7 5658.4,3973.69 5665.34,3980.63 U7.V9@5665.34,4016.57
  Bottom Layer w6: Q19.1@2314.02,3937.09 2314.02,3919.41 R19.2@2284.45,3889.84 2313.93,3860.36 2313.93,3648.5 2349.56,3612.87 2349.56,3533.04 2471.85,3410.75 4942.84,3410.75 5199.98,3667.89 5315.05,3667.89 5357.79,3710.63 v1(5374.02,3710.63)
DRV20: Q20.1 R20.2 U7.U9 | length 3848.6
  Top Layer w5: 5681.09,4000.82 5681.09,4032.32
  Top Layer w6: v1(5413.39,3710.63) 5464.3,3710.63 5670.4,3916.73 5670.4,3968.72 5681.09,3979.41 5681.09,4000.82 ; U7.U9@5665.34,4048.06 5681.09,4032.32
  Bottom Layer w6: R20.2@2284.45,3523.62 2314.02,3553.19 Q20.1@2314.02,3570.87 ; R20.2@2288.28,3519.79 2339.59,3519.79 2460.62,3398.75 4947.81,3398.75 5204.95,3655.89 5320.02,3655.89 5355.08,3690.94 5393.7,3690.94 v1(5413.39,3710.63)
DRV21: Q21.1 R21.2 U7.H1 | length 4749.4
  Top Layer w6: v1(2555.76,4622.28) 2519.68,4586.21 2519.68,3635.22 2732.15,3422.75 4863.29,3422.75 5071.34,3630.8 5071.34,4143.17 5261.27,4333.11 5411.79,4333.11 U7.H1@5413.37,4331.53
  Bottom Layer w6: R21.2@2520.67,4622.28 v1(2555.76,4622.28) Q21.1@2555.76,4675.05
DRV22: Q22.1 R22.2 U7.H2 | length 4385.5
  Top Layer w5: 5397.62,4347.28 5429.12,4347.28
  Top Layer w6: v1(2555.01,4256.06) 2538.21,4239.27 2538.21,3642.89 2746.35,3434.75 4858.32,3434.75 5059.34,3635.77 5059.34,4148.14 5258.47,4347.28 5397.62,4347.28 ; 5429.12,4347.28 U7.H2@5444.87,4331.53
  Bottom Layer w6: R22.2@2519.92,4256.06 R22.2@2520.67,4256.06 v1(2555.01,4256.06) Q22.1@2555.01,4308.83
DRV23: Q23.1 R23.2 U7.V7 | length 3810.1
  Top Layer w6: v1(5374.02,3750) 5393.7,3769.68 5472.44,3769.68 5570.24,3867.48 5570.24,3922.29 5600.8,3952.85 5600.8,4015.02 U7.V7@5602.35,4016.57
  Bottom Layer w6: Q23.1@2550.24,3937.09 2550.24,3919.41 R23.2@2520.67,3889.84 2550.15,3860.36 2550.15,3648.5 2585.78,3612.87 2585.78,3533.04 2684.07,3434.75 4932.9,3434.75 5190.04,3691.89 5302.4,3691.89 5360.51,3750 v1(5374.02,3750)
DRV24: Q24.1 R24.2 U7.U8 | length 3559.6
  Top Layer w5: 5649.59,4000.82 5649.59,4032.32
  Top Layer w6: v1(5413.39,3750) 5469.73,3750 5582.24,3862.51 5582.24,3917.32 5649.59,3984.67 5649.59,4000.82 ; U7.U8@5633.84,4048.06 5649.59,4032.32
  Bottom Layer w6: R24.2@2520.67,3523.62 2550.24,3553.19 Q24.1@2550.24,3570.87 ; R24.2@2524.5,3519.79 2575.81,3519.79 2672.84,3422.75 4937.87,3422.75 5195.01,3679.89 5307.37,3679.89 5357.79,3730.32 5393.7,3730.32 v1(5413.39,3750)
DRV25: Q25.1 R25.2 U7.G1 | length 4510.7
  Top Layer w6: v1(2791.98,4622.28) 2755.91,4586.21 2755.91,3625.58 2934.73,3446.75 4853.35,3446.75 5047.34,3640.74 5047.34,4153.11 5257.25,4363.02 U7.G1@5413.37,4363.02
  Bottom Layer w6: R25.2@2756.89,4622.28 v1(2791.98,4622.28) Q25.1@2791.98,4675.05
DRV26: Q26.1 R26.2 U7.G2 | length 4148.1
  Top Layer w5: 5397.62,4378.77 5429.12,4378.77
  Top Layer w6: v1(2791.23,4256.06) 2774.43,4239.27 2774.43,3633.25 2948.94,3458.75 4848.38,3458.75 5035.34,3645.71 5035.34,4158.08 5256.03,4378.77 5397.62,4378.77 ; 5429.12,4378.77 U7.G2@5444.87,4363.02
  Bottom Layer w6: R26.2@2756.14,4256.06 R26.2@2756.89,4256.06 v1(2791.23,4256.06) Q26.1@2791.23,4308.83
DRV27: Q27.1 R27.2 U7.V6 | length 3515.8
  Top Layer w6: v1(5246.06,3750) 5265.75,3769.69 5329.22,3769.69 5358.78,3799.25 5459.2,3799.25 5545.87,3885.91 5545.87,3933.83 5570.85,3958.81 U7.V6@5570.85,4016.57
  Bottom Layer w6: Q27.1@2786.46,3937.09 2786.46,3919.41 R27.2@2756.89,3889.84 2786.37,3860.36 2786.37,3648.5 2822,3612.87 2822,3533.04 2896.29,3458.75 4922.96,3458.75 5214.21,3750 v1(5246.06,3750)
DRV28: Q28.1 R28.2 U7.U7 | length 3252.3
  Top Layer w5: 5586.6,4000.82 5586.6,4032.32
  Top Layer w6: v1(5285.43,3750) 5326.5,3750 5363.75,3787.25 5464.18,3787.25 5557.87,3880.94 5557.87,3928.86 5586.6,3957.59 5586.6,4000.82 ; 5586.6,4032.32 U7.U7@5602.35,4048.06
  Bottom Layer w6: R28.2@2756.89,3523.62 2786.46,3553.19 Q28.1@2786.46,3570.87 ; R28.2@2760.72,3519.79 2812.03,3519.79 2885.06,3446.75 4927.93,3446.75 5211.49,3730.32 5265.75,3730.32 v1(5285.43,3750)
DRV29: Q29.1 R29.2 U7.F1 | length 4266.2
  Top Layer w6: v1(3028.2,4622.28) 2992.13,4586.21 2992.13,3625.86 3145.73,3472.25 4842.79,3472.25 5021.84,3651.3 5021.84,4163.67 5252.68,4394.52 U7.F1@5413.37,4394.52
  Bottom Layer w6: R29.2@2993.11,4622.28 v1(3028.2,4622.28) Q29.1@3028.2,4675.05